# KiCad board LED_Matrix_Phone_Case.kicad_pcb (continued)
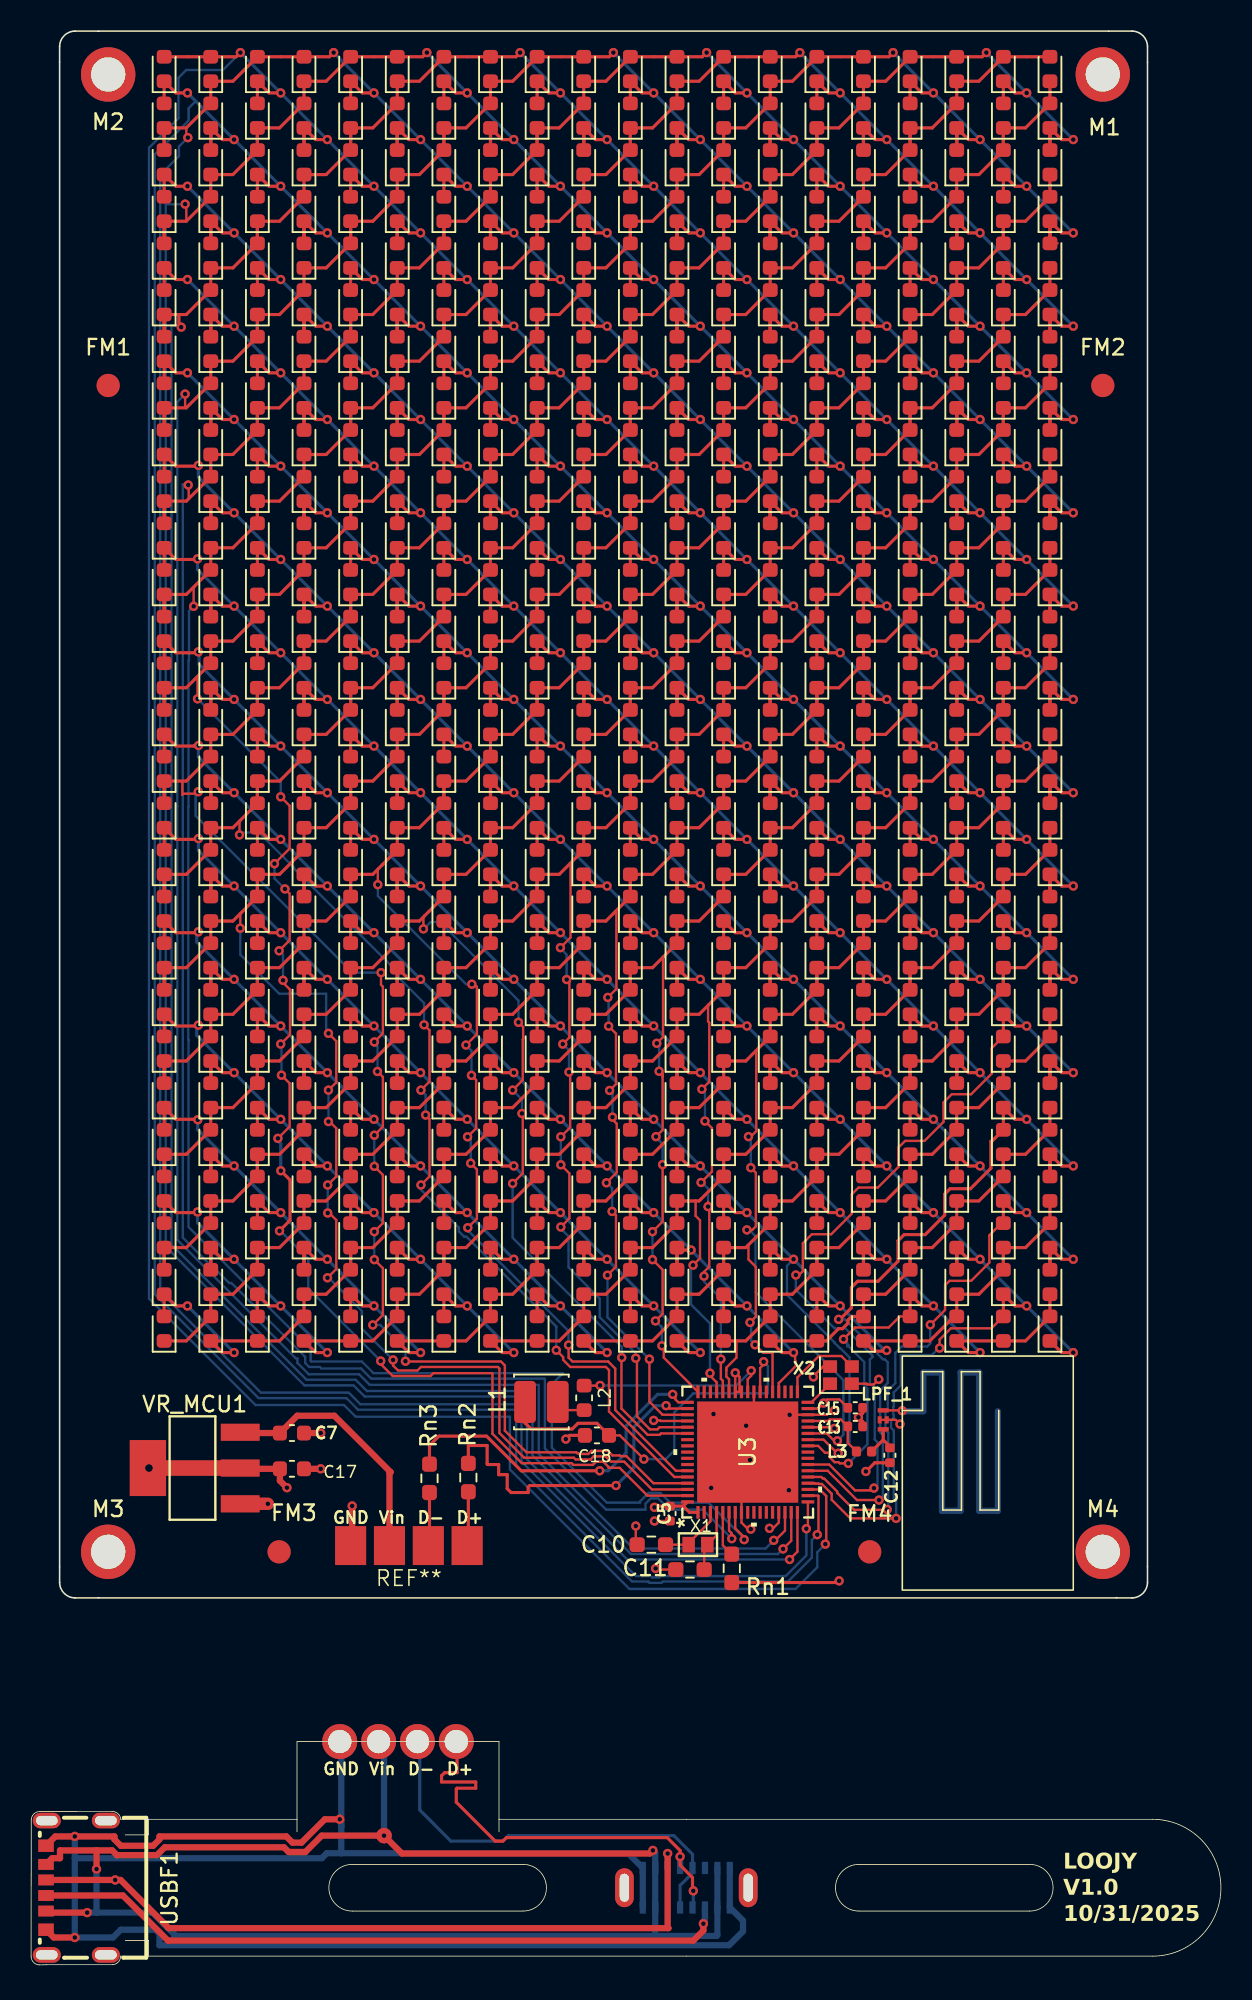
[diagram p0: board, top side]
## Routing (per net, layer and track width the routed paths; a pad name or vN(x,y) marks a point on that pad's centre or on a via; arc(x,y) is an arc through that point) (continued)
  Bottom w0.15: v1(54.23,30.66) 54.39,30.81 54.46,30.81 54.46,33.62 54.28,33.79 54.28,37.08 53.97,37.39 53.97,38.92 54.15,39.1 54.13,39.13 54.13,39.19 54.03,39.28 54.03,39.29 52.36,40.96 52.23,40.96 52.2,40.94 51.72,40.94 51.7,40.96 51.66,40.96 49.21,43.41 v1(49.21,44.36)
  Bottom w0.2: v1(67.06,57.37) v1(64.06,60.37) v1(61.06,63.37) v1(58.06,66.37) v1(55.06,69.37) v1(52.06,72.37) v1(49.06,75.37) v1(46.06,78.37) v1(43.06,81.37) v1(40.06,84.37) v1(37.06,87.37) v1(34.06,90.37) v1(31.06,93.37) v1(28.06,96.37) v1(25.06,99.37) v1(22.06,102.37) v1(19.06,105.37) v1(16.06,108.37) v1(13.06,111.37) v1(10.06,114.37)
LED_10: length 141.6
  Top w0.15: v1(40.41,57.46) 40.64,57.24 40.64,57.11 ; 40.64,57.11 40.64,57.29 40.41,57.51 ; 40.64,57.11 40.64,53.69 v1(40.21,53.26) ; v1(40.18,41.41) 40.64,41.87 40.64,44.7 v1(39.99,45.35) ; v1(40.59,39.81) 40.71,39.69 40.71,39.05 U3.51 ; v1(40.26,59.26) 40.66,59.66 40.66,64.8 40.69,64.83 ; v1(39.99,47.15) 40.64,47.8 v1(40.64,51.46)
  Top w0.2: REF**495.2 26.56,52.16 ; REF**495.2 REF**453.1 27.99,52.12 REF**454.2 REF**456.1 30.99,55.12 REF**459.2 ; REF**495.2 24.99,49.12 REF**492.1 REF**490.2 21.99,46.12 REF**489.1 REF**531.2 ; REF**387.2 REF**345.1 45.99,70.12 REF**346.2 REF**348.1 48.99,73.12 REF**351.2 ; REF**387.2 44.56,70.16 ; REF**387.2 42.99,67.12 REF**384.1 REF**382.2 39.99,64.12 REF**381.1 REF**423.2 ; REF**459.2 REF**417.1 33.99,58.12 REF**418.2 REF**420.1 36.99,61.12 REF**423.2 ; REF**459.2 32.56,58.16 ; REF**531.2 18.99,43.12 REF**528.1 REF**526.2 15.99,40.12 REF**525.1 REF**522.1 12.31,39.37 v1(13.06,39.37) ; REF**531.2 20.56,46.16 ; REF**279.2 60.99,85.12 REF**276.1 REF**274.2 57.99,82.12 REF**273.1 REF**315.2 ; REF**279.2 REF**237.1 63.99,88.12 REF**238.2 REF**240.1 ; REF**279.2 62.56,88.16 ; REF**351.2 REF**309.1 51.99,76.12 REF**310.2 REF**312.1 54.99,79.12 REF**315.2 ; REF**351.2 50.56,76.16 ; REF**315.2 56.56,82.16 ; REF**423.2 38.56,64.16 ; v1(10.06,42.37) 9.31,42.37 REF**523.1 REF**521.2
  Bottom w0.15: v1(40.18,41.41) 40.54,41.04 40.59,41.04 v1(40.59,39.81) ; 40.44,52.99 40.64,52.79 v1(40.64,51.46) ; 40.44,52.99 40.26,53.16 ; 40.44,52.99 40.44,53.04 v1(40.21,53.26) ; v1(40.41,57.46) 40.41,59.11 v1(40.26,59.26) ; v1(39.99,45.35) v1(39.99,47.15)
  Bottom w0.2: v1(10.06,42.37) v1(13.06,39.37)
LED_11: length 146.7
  Top w0.15: 37.41,54.61 v1(37.41,54.51) 37.41,54.36 37.69,54.09 37.69,50.96 v1(37.02,50.29) ; v1(37.39,48.45) 37.64,48.2 37.64,44.9 v1(37.09,44.35) ; v1(39.79,38.95) 39.79,36.22 40.63,35.37 U3.54 ; v1(37.16,60.36) 37.64,59.89 37.64,56.64 v1(37.22,56.23) ; 37.59,67.73 37.66,67.66 37.66,62.76 v1(37.11,62.21)
  Top w0.2: REF**239.2 REF**197.1 63.99,94.12 REF**198.2 REF**200.1 ; REF**239.2 60.99,91.12 REF**236.1 REF**234.2 57.99,88.12 REF**233.1 REF**275.2 ; REF**239.2 62.56,94.16 ; REF**311.2 REF**269.1 51.99,82.12 REF**270.2 REF**272.1 54.99,85.12 REF**275.2 ; REF**311.2 48.99,79.12 REF**308.1 REF**306.2 45.99,76.12 REF**305.1 REF**347.2 ; REF**311.2 50.56,82.16 ; REF**419.2 32.56,64.16 ; REF**419.2 REF**377.1 33.99,64.12 REF**378.2 REF**380.1 36.99,67.12 REF**383.2 ; REF**419.2 30.99,61.12 REF**416.1 REF**414.2 27.99,58.12 REF**413.1 REF**455.2 ; REF**491.2 18.99,49.12 REF**488.1 REF**486.2 15.99,46.12 REF**485.1 REF**527.2 ; REF**491.2 20.56,52.16 ; REF**491.2 REF**449.1 21.99,52.12 REF**450.2 REF**452.1 24.99,55.12 REF**455.2 ; REF**455.2 26.56,58.16 ; REF**383.2 38.56,70.16 ; REF**383.2 REF**341.1 39.99,70.12 REF**342.2 REF**344.1 42.99,73.12 REF**347.2 ; REF**275.2 56.56,88.16 ; REF**521.1 9.99,40.12 REF**522.2 REF**524.1 12.99,43.12 REF**527.2 ; REF**527.2 14.56,46.16 ; REF**347.2 44.56,76.16
  Bottom w0.15: 37.09,50.25 37.39,49.95 v1(37.39,48.45) ; v1(37.41,54.51) 37.41,56.01 37.21,56.21 ; v1(39.79,38.95) 37.09,41.65 v1(37.09,44.35) ; v1(37.11,62.21) 37.16,62.16 v1(37.16,60.36)
LED_12: length 155.3
  Top w0.15: v1(34.61,57.41) 34.69,57.34 34.69,53.85 v1(34.09,53.25) ; 34.69,70.83 34.71,70.81 34.71,66.06 v1(34.06,65.41) ; v1(38.91,39.01) 38.99,38.94 38.99,35.27 39.82,34.44 40.3,34.44 40.44,34.57 U3.56 ; v1(34.21,59.21) 34.64,59.64 34.64,63.19 v1(34.46,63.36) 34.41,63.41 ; v1(34.09,51.45) 34.64,50.9 34.64,48 v1(34.09,47.45)
  Top w0.2: REF**271.2 48.99,85.12 REF**268.1 REF**266.2 45.99,82.12 REF**265.1 REF**307.2 ; REF**271.2 REF**229.1 51.99,88.12 REF**230.2 REF**232.1 54.99,91.12 REF**235.2 ; REF**271.2 50.56,88.16 ; REF**235.2 56.56,94.16 ; REF**235.2 REF**193.1 57.99,94.12 REF**194.2 REF**196.1 60.99,97.12 REF**199.2 ; REF**379.2 REF**337.1 33.99,70.12 REF**338.2 REF**340.1 36.99,73.12 REF**343.2 ; REF**379.2 32.56,70.16 ; REF**379.2 30.99,67.12 REF**376.1 REF**374.2 27.99,64.12 REF**373.1 REF**415.2 ; REF**343.2 38.56,76.16 ; REF**343.2 REF**301.1 39.99,76.12 REF**302.2 REF**304.1 42.99,79.12 REF**307.2 ; REF**487.2 12.99,49.12 REF**484.1 REF**482.2 9.99,46.12 REF**481.1 REF**523.2 8.56,46.16 ; REF**487.2 REF**445.1 15.99,52.12 REF**446.2 REF**448.1 18.99,55.12 REF**451.2 ; REF**487.2 14.56,52.16 ; REF**451.2 20.56,58.16 ; REF**451.2 REF**409.1 21.99,58.12 REF**410.2 REF**412.1 24.99,61.12 REF**415.2 ; REF**199.2 62.56,100.16 ; REF**199.2 REF**157.1 63.99,100.12 REF**158.2 REF**160.1 ; REF**415.2 26.56,64.16 ; REF**307.2 44.56,82.16
  Bottom w0.15: v1(34.09,51.45) v1(34.09,53.25) ; v1(34.46,63.36) 34.46,64.96 34.01,65.41 ; v1(34.21,59.21) 34.61,58.81 v1(34.61,57.41) ; 34.09,47.35 34.59,46.85 34.59,44.85 36.59,42.85 36.59,41.65 38.91,39.33 v1(38.91,39.01)
LED_13: length 156.8
  Top w0.15: U3.57 40.53,34.17 40.45,34.08 39.68,34.08 37.99,35.78 37.99,39.05 ; v1(30.99,56.25) 31.64,56.9 31.64,59.5 31.66,59.52 31.66,60.31 v1(31.36,60.61) ; v1(31.59,54.75) 31.64,54.7 31.64,50.9 v1(30.99,50.25) ; 25.32,67.45 25.25,67.38 v1(25.25,66.62)
  Top w0.2: 8.56,52.16 REF**483.2 REF**441.1 9.99,52.12 REF**442.2 REF**444.1 12.99,55.12 REF**447.2 ; REF**411.2 18.99,61.12 REF**408.1 REF**406.2 15.99,58.12 REF**405.1 REF**447.2 ; REF**411.2 REF**369.1 21.99,64.12 REF**370.2 REF**372.1 24.99,67.12 REF**375.2 ; REF**411.2 20.56,64.16 ; REF**447.2 14.56,58.16 ; REF**339.2 32.56,76.16 ; REF**339.2 REF**297.1 33.99,76.12 REF**298.2 REF**300.1 36.99,79.12 REF**303.2 ; REF**339.2 30.99,73.12 REF**336.1 REF**334.2 27.99,70.12 REF**333.1 REF**375.2 ; REF**267.2 42.99,85.12 REF**264.1 REF**262.2 39.99,82.12 REF**261.1 REF**303.2 ; REF**267.2 44.56,88.16 ; REF**267.2 REF**225.1 45.99,88.12 REF**226.2 REF**228.1 48.99,91.12 REF**231.2 ; REF**195.2 56.56,100.16 ; REF**195.2 54.99,97.12 REF**192.1 REF**190.2 51.99,94.12 REF**189.1 REF**231.2 ; REF**195.2 REF**153.1 57.99,100.12 REF**154.2 REF**156.1 60.99,103.12 REF**159.2 ; REF**375.2 26.56,70.16 ; REF**120.1 REF**118.2 63.99,106.12 REF**117.1 REF**159.2 ; REF**303.2 38.56,82.16 ; REF**231.2 50.56,94.16 ; REF**159.2 62.56,106.16
  Bottom w0.15: v1(30.99,50.25) 30.99,46.76 38.01,39.74 v1(38.01,39.05) ; v1(31.59,54.75) 31.59,55.65 v1(30.99,56.25) ; 25.26,66.61 25.71,67.06 26.31,67.06 31.36,62.01 v1(31.36,60.61)
LED_14: length 150.9
  Top w0.15: U3.38 48.11,37.42 48.12,37.42 49.21,38.51 49.21,38.8 49.16,38.8 49.16,39.27 v1(49.06,39.37) 48.91,39.22
  Top w0.2: v1(28.06,60.37) 27.31,60.37 REF**415.1 REF**413.2 ; REF**544.2 41.56,46.16 REF**544.2 ; REF**544.2 REF**502.1 41.72,45.97 v1(42.47,45.97) ; REF**519.2 62.56,52.16 ; REF**519.2 REF**477.1 63.99,52.12 REF**478.2 REF**480.1 ; REF**519.2 60.99,49.12 REF**516.1 REF**514.2 57.99,46.12 REF**513.1 REF**555.2 ; REF**324.2 11.56,76.16 REF**324.2 ; REF**324.2 REF**282.1 12.31,75.37 v1(13.06,75.37) ; REF**412.2 23.56,64.16 REF**412.2 ; REF**412.2 REF**370.1 24.31,63.37 v1(25.06,63.37) ; v1(37.06,51.37) 36.31,51.37 REF**458.1 REF**500.2 ; REF**555.2 56.56,46.16 ; REF**555.2 54.99,43.12 REF**552.1 REF**550.2 52.8,41.7 52.56,41.46 52.56,41.26 52.21,40.91 51.96,40.91 51.17,40.12 REF**549.1 REF**546.1 48.31,39.37 v1(49.06,39.37) ; REF**325.2 REF**327.1 15.31,72.37 v1(16.06,72.37) ; REF**368.2 17.56,70.16 REF**368.2 ; REF**368.2 REF**326.1 18.31,69.37 v1(19.06,69.37) ; v1(40.06,48.37) 39.31,48.37 REF**503.1 REF**501.2 ; REF**500.2 35.56,52.16 REF**500.2 ; REF**456.2 REF**414.1 30.31,57.37 v1(31.06,57.37) ; REF**456.2 29.56,58.16 REF**456.2 ; v1(46.06,42.37) 45.31,42.37 REF**547.1 REF**545.2 ; REF**457.2 REF**459.1 33.31,54.37 v1(34.06,54.37) ; REF**281.2 REF**283.1 9.31,78.37 10.49,78.37 10.53,78.41 v1(10.78,78.41) ; v1(22.06,66.37) 21.31,66.37 REF**371.1 REF**369.2
  Bottom w0.2: v1(49.06,39.37) v1(46.06,42.37) v1(42.47,45.97) v1(40.06,48.37) v1(37.06,51.37) v1(34.06,54.37) v1(31.06,57.37) v1(28.06,60.37) v1(25.06,63.37) v1(22.06,66.37) v1(19.06,69.37) v1(16.06,72.37) v1(13.06,75.37) 10.76,77.67 10.76,78.4 v1(10.78,78.41)
LED_15: length 146.7
  Top w0.15: 46.14,46.28 46.16,46.26 46.16,45.36 46.64,44.89 46.64,41.69 v1(46.26,41.31) ; U3.39 47.71,39.36 47.1,39.36 v1(46.59,39.88)
  Top w0.2: REF**511.2 50.56,52.16 ; REF**511.2 48.99,49.12 REF**508.1 REF**506.2 45.99,46.12 REF**505.1 REF**547.2 ; REF**511.2 REF**469.1 51.99,52.12 REF**470.2 REF**472.1 54.99,55.12 REF**475.2 ; REF**439.2 60.99,61.12 REF**436.1 REF**434.2 57.99,58.12 REF**433.1 REF**475.2 ; REF**439.2 62.56,64.16 ; REF**439.2 REF**397.1 63.99,64.12 REF**398.2 REF**400.1 ; v1(25.06,51.37) 24.31,51.37 REF**450.1 REF**492.2 ; REF**361.2 REF**363.1 9.31,66.37 10.62,66.37 10.68,66.43 v1(10.76,66.43) ; REF**492.2 23.56,52.16 REF**492.2 ; v1(19.06,57.37) 18.31,57.37 REF**406.1 REF**448.2 ; REF**547.2 42.99,43.12 REF**544.1 REF**542.2 39.99,40.12 REF**541.1 REF**538.1 36.31,39.37 v1(37.06,39.37) ; REF**547.2 44.56,46.16 ; REF**536.2 29.56,46.16 REF**536.2 ; REF**536.2 REF**494.1 30.31,45.37 v1(31.06,45.37) ; v1(28.06,48.37) 27.31,48.37 REF**495.1 REF**493.2 ; v1(22.06,54.37) 21.31,54.37 REF**451.1 REF**449.2 ; REF**475.2 56.56,58.16 ; REF**537.2 REF**539.1 33.31,42.37 v1(34.06,42.37) ; REF**448.2 17.56,58.16 REF**448.2 ; REF**405.2 REF**407.1 15.31,60.37 v1(16.06,60.37) ; REF**404.2 11.56,64.16 REF**404.2 ; REF**404.2 REF**362.1 12.31,63.37 v1(13.06,63.37)
  Bottom w0.15: v1(46.26,41.31) 46.33,41.24 46.33,40.13 v1(46.59,39.88)
  Bottom w0.2: v1(37.06,39.37) v1(34.06,42.37) v1(31.06,45.37) v1(28.06,48.37) v1(25.06,51.37) v1(22.06,54.37) v1(19.06,57.37) v1(16.06,60.37) v1(13.06,63.37) 10.66,65.77 10.66,66.33 v1(10.76,66.43)
LED_16: length 178.7
  Top w0.15: v1(52.28,40.23) 53.03,40.99 55.19,40.99 55.9,41.7 REF**553.2 ; v1(52.59,32.25) 52.04,32.25 51.96,32.32 51.7,32.32 51.36,32.66 51.36,32.91 51.34,32.93 51.09,32.93 50.64,33.37 U3.27
  Top w0.2: REF**332.2 23.56,76.16 REF**332.2 ; REF**332.2 REF**290.1 24.31,75.37 v1(25.06,75.37) ; REF**288.2 REF**246.1 18.31,81.37 v1(19.06,81.37) ; REF**288.2 17.56,82.16 REF**288.2 ; REF**244.2 11.56,88.16 REF**244.2 ; REF**244.2 REF**202.1 12.31,87.37 v1(13.06,87.37) ; REF**508.2 REF**466.1 48.31,51.37 v1(49.06,51.37) ; REF**508.2 47.56,52.16 REF**508.2 ; v1(58.06,42.37) 57.31,42.37 REF**555.1 REF**553.2 ; REF**245.2 REF**247.1 15.31,84.37 v1(16.06,84.37) ; v1(22.06,78.37) 21.31,78.37 REF**291.1 REF**289.2 ; v1(34.06,66.37) 33.31,66.37 REF**379.1 REF**377.2 ; REF**201.2 REF**203.1 9.31,90.37 10.67,90.37 v1(10.71,90.41) ; REF**465.2 REF**467.1 45.31,54.37 v1(46.06,54.37) ; v1(43.06,57.37) 42.31,57.37 REF**422.1 REF**464.2 ; v1(40.06,60.37) 39.31,60.37 REF**423.1 REF**421.2 ; REF**509.2 REF**511.1 51.31,48.37 v1(52.06,48.37) ; v1(28.06,72.37) 27.31,72.37 REF**335.1 REF**333.2 ; REF**464.2 41.56,58.16 REF**464.2 ; v1(37.06,63.37) 36.31,63.37 REF**378.1 REF**420.2 ; REF**420.2 35.56,64.16 REF**420.2 ; REF**552.2 REF**510.1 54.31,45.37 v1(55.06,45.37) ; REF**552.2 53.56,46.16 REF**552.2 ; REF**376.2 REF**334.1 30.31,69.37 v1(31.06,69.37) ; REF**376.2 29.56,70.16 REF**376.2 ; v1(61.06,39.37) 60.31,39.37 REF**554.1 REF**#6.1 63.99,40.12 REF**#4.2 REF**.1
  Bottom w0.15: 52.51,39.76 52.51,40 v1(52.28,40.23) 52.4,40.11 52.4,40.04 52.61,39.84 52.61,39.76 53.61,38.76 53.61,37.26 53.81,37.06 53.81,33.47 v1(52.59,32.25)
  Bottom w0.2: v1(10.71,90.41) 10.71,89.72 v1(13.06,87.37) v1(16.06,84.37) v1(19.06,81.37) v1(22.06,78.37) v1(25.06,75.37) v1(28.06,72.37) v1(31.06,69.37) v1(34.06,66.37) v1(37.06,63.37) v1(40.06,60.37) v1(43.06,57.37) v1(46.06,54.37) v1(49.06,51.37) v1(52.06,48.37) v1(55.06,45.37) v1(58.06,42.37) v1(61.06,39.37)
LED_17: length 163.5
  Top w0.15: v1(27.99,59.15) 28.69,59.85 28.69,62.89 28.56,63.01 28.36,63.01 ; U3.63 41.49,31.77 37.59,35.68 37.59,38.35 37.14,38.8 34.84,38.8 34.59,39.05 v1(34.59,39.86) 34.5,39.86 ; v1(28.29,51.55) 28.69,51.15 28.69,47.99 v1(28.1,47.4) ; v1(28.09,53.25) 28.64,53.8 28.64,56.9 v1(28.34,57.2) 28.29,57.25 ; 22.37,70.5 22.31,70.45 v1(22.31,69.46)
  Top w0.2: REF**407.2 12.99,61.12 REF**404.1 REF**402.2 9.99,58.12 REF**401.1 REF**443.2 8.56,58.16 ; REF**407.2 REF**365.1 15.99,64.12 REF**366.2 REF**368.1 18.99,67.12 REF**371.2 ; REF**407.2 14.56,64.16 ; REF**155.2 56.56,106.16 ; REF**155.2 54.99,103.12 REF**152.1 REF**150.2 51.99,100.12 REF**149.1 REF**191.2 ; REF**155.2 REF**113.1 57.99,106.12 REF**114.2 REF**116.1 60.99,109.12 REF**119.2 ; REF**227.2 42.99,91.12 REF**224.1 REF**222.2 39.99,88.12 REF**221.1 REF**263.2 ; REF**227.2 REF**185.1 45.99,94.12 REF**186.2 REF**188.1 48.99,97.12 REF**191.2 ; REF**227.2 44.56,94.16 ; REF**191.2 50.56,100.16 ; REF**119.2 REF**77.1 63.99,112.12 REF**78.2 REF**80.1 ; REF**119.2 62.56,112.16 ; REF**335.2 26.56,76.16 ; REF**335.2 REF**293.1 27.99,76.12 REF**294.2 REF**296.1 30.99,79.12 REF**299.2 ; REF**335.2 24.99,73.12 REF**332.1 REF**330.2 21.99,70.12 REF**329.1 REF**371.2 ; REF**299.2 32.56,82.16 ; REF**299.2 REF**257.1 33.99,82.12 REF**258.2 REF**260.1 36.99,85.12 REF**263.2 ; REF**263.2 38.56,88.16 ; REF**371.2 20.56,70.16
  Bottom w0.15: v1(22.31,69.46) 22.31,68.74 27.99,63.06 v1(28.36,63.06) ; 27.89,59.25 v1(27.99,59.15) 28.34,58.8 v1(28.34,57.2) ; v1(34.59,39.86) 34.59,40.75 28.19,47.15 28.19,47.35 28.09,47.45 ; v1(28.09,53.25) 28.29,53.05 v1(28.29,51.55)
LED_18: length 165.5
  Top w0.15: v1(25.39,54.65) 25.64,54.4 25.64,50.7 v1(25.09,50.15) ; 13.44,73.58 13.41,73.55 v1(13.41,72.66) ; U3.64 41.39,31.37 37.19,35.58 37.19,38.25 36.99,38.45 34.69,38.45 34.24,38.9 34.24,39.08 v1(33.8,39.52) ; v1(25.09,56.25) 25.64,56.8 25.64,60.1 v1(25.29,60.45)
  Top w0.2: REF**327.2 12.99,73.12 REF**324.1 REF**322.2 9.99,70.12 REF**321.1 REF**363.2 8.56,70.16 ; REF**327.2 14.56,76.16 ; REF**327.2 REF**285.1 15.99,76.12 REF**286.2 REF**288.1 18.99,79.12 REF**291.2 ; REF**111.2 50.56,112.16 ; REF**111.2 48.99,109.12 REF**108.1 REF**106.2 45.99,106.12 REF**105.1 REF**147.2 ; REF**111.2 REF**69.1 51.99,112.12 REF**70.2 REF**72.1 54.99,115.12 REF**75.2 ; REF**291.2 20.56,82.16 ; REF**291.2 REF**249.1 21.99,82.12 REF**250.2 REF**252.1 24.99,85.12 REF**255.2 ; REF**147.2 42.99,103.12 REF**144.1 REF**142.2 39.99,100.12 REF**141.1 REF**183.2 ; REF**147.2 44.56,106.16 ; REF**219.2 30.99,91.12 REF**216.1 REF**214.2 27.99,88.12 REF**213.1 REF**255.2 ; REF**219.2 32.56,94.16 ; REF**219.2 REF**177.1 33.99,94.12 REF**178.2 REF**180.1 36.99,97.12 REF**183.2 ; REF**183.2 38.56,100.16 ; REF**75.2 56.56,118.16 ; REF**75.2 REF**33.1 57.99,118.12 REF**34.2 REF**36.1 60.99,121.12 REF**39.2 REF**40.2 ; REF**255.2 26.56,88.16
  Bottom w0.15: v1(25.09,50.15) 25.09,49.85 27.53,47.41 27.53,47.16 27.86,46.83 28.01,46.83 33.79,41.05 33.79,41.05 33.8,41.04 v1(33.8,39.52) ; v1(25.39,54.65) 25.39,55.95 v1(25.09,56.25) ; v1(25.29,60.45) 25.29,61.85 23.66,63.47 23.66,63.76 16.91,70.51 16.91,70.56 14.66,72.81 13.61,72.81 13.46,72.66 v1(13.41,72.66)
LED_19: length 186.8
  Top w0.15: v1(21.99,41.15) 22.64,41.8 22.64,44.8 v1(22.09,45.35) ; v1(22.29,57.45) 22.64,57.1 22.64,53.9 v1(22.09,53.35) ; v1(24.09,38.82) 24.11,38.8 30.24,38.8 30.49,38.55 30.49,34.35 31.87,32.96 35.07,32.96 35.12,32.91 35.2,32.91 35.26,32.85 35.86,32.85 36.06,33.05 37.12,33.05 37.41,32.76 37.89,32.76 37.94,32.71 38.31,32.71 40.05,30.97 U3.65 ; 9.76,76.12 9.74,76.1 9.74,75.24 9.81,75.31 10.63,75.31 v1(10.76,75.44) ; v1(22.52,63.81) 22.52,63.02 22.64,62.9 22.64,59.9 v1(22.09,59.35) ; v1(22.09,51.35) 22.64,50.8 22.64,47.7 v1(22.09,47.15)
  Top w0.2: REF**71.2 REF**29.1 51.99,118.12 REF**30.2 REF**32.1 54.99,121.12 REF**35.2 REF**36.2 61.2,122.7 v1(61.47,122.97) ; REF**71.2 50.56,118.16 ; REF**71.2 48.99,115.12 REF**68.1 REF**66.2 45.99,112.12 REF**65.1 REF**107.2 ; REF**143.2 36.99,103.12 REF**140.1 REF**138.2 33.99,100.12 REF**137.1 REF**179.2 ; REF**143.2 REF**101.1 39.99,106.12 REF**102.2 REF**104.1 42.99,109.12 REF**107.2 ; REF**143.2 38.56,106.16 ; REF**80.2 REF**38.1 66.31,117.37 v1(67.06,117.37) ; REF**80.2 65.56,118.16 REF**80.2 ; v1(64.06,120.37) 63.31,120.37 REF**39.1 REF**37.2 ; REF**215.2 26.56,94.16 ; REF**215.2 24.99,91.12 REF**212.1 REF**210.2 21.99,88.12 REF**209.1 REF**251.2 ; REF**215.2 REF**173.1 27.99,94.12 REF**174.2 REF**176.1 30.99,97.12 REF**179.2 ; REF**179.2 32.56,100.16 ; REF**287.2 14.56,82.16 ; REF**287.2 REF**245.1 15.99,82.12 REF**246.2 REF**248.1 18.99,85.12 REF**251.2 ; REF**287.2 12.99,79.12 REF**284.1 REF**282.2 9.99,76.12 REF**281.1 REF**323.2 8.56,76.16 ; REF**107.2 44.56,112.16 ; REF**251.2 20.56,88.16
  Bottom w0.15: v1(22.52,63.81) 20.67,63.81 10.59,73.88 10.59,75.27 v1(10.76,75.44) ; v1(22.29,57.45) 22.29,59.05 22.19,59.15 22.19,59.25 v1(22.09,59.35) ; v1(22.09,45.35) v1(22.09,47.15) ; v1(24.09,38.82) 24.09,39.53 22.47,41.15 v1(21.99,41.15) ; v1(22.09,51.35) v1(22.09,53.35)
  Bottom w0.2: v1(67.06,117.37) v1(64.06,120.37) v1(61.47,122.97)
LED_20: length 173.9
  Top w0.15: U3.66 39.95,30.57 38.16,32.36 37.31,32.36 36.97,32.7 36.2,32.7 36,32.5 35.04,32.5 34.93,32.61 31.73,32.61 30.14,34.2 30.14,38.35 30.04,38.45 25.09,38.45 24.86,38.22 23.61,38.22 23.29,38.54 v1(23.29,38.9) ; v1(19.07,44.18) 19.64,44.75 19.64,47.9 19.19,48.35 ; v1(19.09,50.15) 19.64,50.7 19.64,53.8 19.19,54.25 ; 19.09,59.95 v1(19.14,59.9) 19.64,59.4 19.64,56.75 v1(19.13,56.25) ; 13.49,67.63 13.46,67.6 v1(13.46,66.66)
  Top w0.2: REF**40.1 REF**38.2 63.99,118.12 REF**37.1 REF**79.2 ; REF**79.2 62.56,118.16 ; REF**79.2 60.99,115.12 REF**76.1 REF**74.2 57.99,112.12 REF**73.1 REF**115.2 ; REF**367.2 12.99,67.12 REF**364.1 REF**362.2 9.99,64.12 REF**361.1 REF**403.2 8.56,64.16 ; REF**367.2 REF**325.1 15.99,70.12 REF**326.2 REF**328.1 18.99,73.12 REF**331.2 ; REF**367.2 14.56,70.16 ; REF**295.2 24.99,79.12 REF**292.1 REF**290.2 21.99,76.12 REF**289.1 REF**331.2 ; REF**295.2 REF**253.1 27.99,82.12 REF**254.2 REF**256.1 30.99,85.12 REF**259.2 ; REF**295.2 26.56,82.16 ; REF**259.2 32.56,88.16 ; REF**259.2 REF**217.1 33.99,88.12 REF**218.2 REF**220.1 36.99,91.12 REF**223.2 ; REF**331.2 20.56,76.16 ; REF**151.2 REF**109.1 51.99,106.12 REF**110.2 REF**112.1 54.99,109.12 REF**115.2 ; REF**151.2 48.99,103.12 REF**148.1 REF**146.2 45.99,100.12 REF**145.1 REF**187.2 ; REF**151.2 50.56,106.16 ; REF**115.2 56.56,112.16 ; REF**187.2 44.56,100.16 ; REF**187.2 42.99,97.12 REF**184.1 REF**182.2 39.99,94.12 REF**181.1 REF**223.2 ; REF**223.2 38.56,94.16
  Bottom w0.15: v1(19.13,54.23) v1(19.13,56.25) 19.13,56.3 ; v1(23.29,38.9) 21.29,40.91 21.29,42.05 19.19,44.15 19.09,44.15 ; v1(13.46,66.66) 13.46,64.96 15.97,62.45 18.99,62.45 18.99,60.05 v1(19.14,59.9) ; v1(19.09,48.35) v1(19.09,50.15)
LED_21: length 200.2
  Top w0.15: 16.31,69.21 v1(16.34,69.19) 16.64,68.89 16.64,65.89 v1(15.96,65.21) ; v1(16.11,57.21) 16.64,56.69 16.64,53.9 v1(15.88,53.15) ; v1(22.5,38.83) 22.52,38.81 22.52,38.62 23.26,37.87 25.71,37.87 25.89,38.05 29.69,38.05 29.69,34.16 31.58,32.26 34.78,32.26 34.89,32.15 36.15,32.15 36.35,32.35 36.82,32.35 37.16,32.01 37.16,31.96 37.87,31.96 39.66,30.17 U3.67 ; v1(16.06,59.21) 16.66,59.81 16.66,62.71 16.21,63.16 v1(16.21,63.31) ; 66.05,110.7 REF**120.2 ; v1(10.71,81.41) 10.71,82.85 10.74,82.88 ; v1(16.06,75.11) 16.64,74.54 16.64,71.79 v1(15.66,70.81)
  Top w0.2: REF**67.2 42.99,115.12 REF**64.1 REF**62.2 39.99,112.12 REF**61.1 REF**103.2 ; REF**67.2 44.56,118.16 ; REF**67.2 REF**25.1 45.99,118.12 REF**26.2 REF**28.1 48.99,121.12 REF**31.2 REF**32.2 55.2,122.7 v1(55.47,122.97) ; REF**33.2 REF**35.1 57.31,120.37 v1(58.06,120.37) ; REF**247.2 14.56,88.16 ; REF**247.2 REF**205.1 15.99,88.12 REF**206.2 REF**208.1 18.99,91.12 REF**211.2 ; REF**247.2 12.99,85.12 REF**244.1 REF**242.2 9.99,82.12 REF**241.1 REF**283.2 8.56,82.16 ; REF**175.2 REF**133.1 27.99,100.12 REF**134.2 REF**136.1 30.99,103.12 REF**139.2 ; REF**175.2 26.56,100.16 ; REF**175.2 24.99,97.12 REF**172.1 REF**170.2 21.99,94.12 REF**169.1 REF**211.2 ; REF**211.2 20.56,94.16 ; REF**120.2 65.56,112.16 REF**120.2 ; REF**120.2 65.57,110.71 ; REF**120.2 REF**78.1 66.31,111.37 v1(67.06,111.37) ; REF**139.2 32.56,106.16 ; REF**139.2 REF**97.1 33.99,106.12 REF**98.2 REF**100.1 36.99,109.12 REF**103.2 ; 16.04,51.1 v1(16.07,51.07) 16.66,50.47 16.66,47.87 v1(15.99,47.2) ; REF**77.2 REF**79.1 63.31,114.37 v1(64.06,114.37) ; REF**76.2 REF**34.1 60.31,117.37 v1(61.06,117.37) ; REF**76.2 59.56,118.16 REF**76.2 ; REF**103.2 38.56,112.16
  Bottom w0.15: v1(10.71,81.41) 16.06,76.06 v1(16.06,75.11) ; v1(22.5,38.83) 17.84,43.49 17.84,45.4 16.04,47.2 ; v1(16.34,69.19) 15.66,69.86 v1(15.66,70.81) ; v1(15.96,65.21) 16.21,64.96 v1(16.21,63.31) ; v1(16.06,59.21) 16.11,59.16 v1(16.11,57.21)
  Bottom w0.2: 15.76,53.11 16.07,52.8 v1(16.07,51.07) ; v1(55.47,122.97) v1(58.06,120.37) v1(61.06,117.37) v1(64.06,114.37) v1(67.06,111.37)
LED_22: length 232.8
  Top w0.15: v1(45.09,27.41) 45.09,27.75 44.91,27.92 U3.6 ; v1(10.11,95.16) 10.14,95.13 10.14,94.28
  Top w0.2: REF**156.2 59.56,106.16 REF**156.2 ; REF**156.2 REF**114.1 60.31,105.37 v1(61.06,105.37) ; v1(67.06,99.37) 66.31,99.37 REF**158.1 REF**200.2 ; v1(58.06,108.37) 57.31,108.37 REF**115.1 REF**113.2 ; REF**157.2 REF**159.1 63.31,102.37 v1(64.06,102.37) ; REF**95.2 26.56,112.16 ; REF**95.2 24.99,109.12 REF**92.1 REF**90.2 21.99,106.12 REF**89.1 REF**131.2 ; REF**95.2 REF**53.1 27.99,112.12 REF**54.2 REF**56.1 30.99,115.12 REF**59.2 ; v1(52.06,114.37) 51.31,114.37 REF**71.1 REF**69.2 ; REF**112.2 53.56,112.16 REF**112.2 ; REF**112.2 REF**70.1 54.31,111.37 v1(55.06,111.37) ; REF**200.2 65.56,100.16 REF**200.2 ; REF**25.2 REF**27.1 45.31,120.37 v1(46.06,120.37) ; REF**59.2 REF**17.1 33.99,118.12 REF**18.2 REF**20.1 36.99,121.12 REF**23.2 REF**24.2 43.2,122.7 v1(43.47,122.97) ; REF**59.2 32.56,118.16 ; 8.56,94.16 REF**203.2 REF**161.1 9.99,94.12 REF**162.2 REF**164.1 12.99,97.12 REF**167.2 ; REF**68.2 47.56,118.16 REF**68.2 ; REF**68.2 REF**26.1 48.31,117.37 v1(49.06,117.37) ; REF**131.2 18.99,103.12 REF**128.1 REF**126.2 15.99,100.12 REF**125.1 REF**167.2 ; REF**131.2 20.56,106.16 ; REF**167.2 14.56,100.16
  Bottom w0.15: 10.11,95.21 9.76,95.21 9.76,46.77 11.53,45 11.59,45 12.74,43.85 12.89,43.85 17.64,39.1 17.64,38.7 17.89,38.45 18.59,38.45 18.69,38.35 21.24,38.35 21.89,37.7 33.06,37.7 33.06,33.21 37,29.27 39.54,29.27 39.54,29.66 39.87,30 40.35,30 40.69,29.66 40.69,29.27 43.22,29.27 v1(45.09,27.41)
  Bottom w0.2: v1(67.06,99.37) v1(64.06,102.37) v1(61.06,105.37) v1(58.06,108.37) v1(55.06,111.37) v1(52.06,114.37) v1(49.06,117.37) v1(46.06,120.37) v1(43.47,122.97)
LED_23: length 220.2
  Top w0.15: v1(10.46,87.36) 10.46,88.6 10.52,88.65 ; v1(45.88,27.34) 45.88,27.5 45.31,28.07 U3.7
  Top w0.2: REF**116.2 REF**74.1 60.31,111.37 v1(61.06,111.37) ; REF**116.2 59.56,112.16 REF**116.2 ; REF**135.2 26.56,106.16 ; REF**135.2 REF**93.1 27.99,106.12 REF**94.2 REF**96.1 30.99,109.12 REF**99.2 ; REF**135.2 24.99,103.12 REF**132.1 REF**130.2 21.99,100.12 REF**129.1 REF**171.2 ; REF**99.2 32.56,112.16 ; REF**99.2 REF**57.1 33.99,112.12 REF**58.2 REF**60.1 36.99,115.12 REF**63.2 ; REF**171.2 18.99,97.12 REF**168.1 REF**166.2 15.99,94.12 REF**165.1 REF**207.2 ; REF**171.2 20.56,100.16 ; REF**63.2 38.56,118.16 ; REF**63.2 REF**21.1 39.99,118.12 REF**22.2 REF**24.1 42.99,121.12 REF**27.2 REF**28.2 49.2,122.7 v1(49.47,122.97) ; REF**207.2 14.56,94.16 ; REF**207.2 12.99,91.12 REF**204.1 REF**202.2 9.99,88.12 REF**201.1 REF**243.2 8.56,88.16 ; REF**160.2 65.56,106.16 REF**160.2 ; REF**160.2 REF**118.1 66.31,105.37 v1(67.06,105.37) ; v1(52.06,120.37) 51.31,120.37 REF**31.1 REF**29.2 ; REF**73.2 REF**75.1 57.31,114.37 v1(58.06,114.37) ; v1(64.06,108.37) 63.31,108.37 REF**119.1 REF**117.2 ; REF**72.2 53.56,118.16 REF**72.2 ; REF**72.2 REF**30.1 54.31,117.37 v1(55.06,117.37)
  Bottom w0.15: v1(10.46,87.36) 10.16,87.06 10.16,83.91 10.14,83.89 10.14,74.49 10.11,74.46 10.11,74.46 10.11,59.51 10.16,59.46 10.14,59.44 10.14,47.45 17.99,39.6 17.99,38.85 18.04,38.8 21.28,38.8 22.03,38.05 34.23,38.05 33.51,37.33 33.51,33.26 37.04,29.72 39.18,29.72 39.18,29.8 39.73,30.35 40.5,30.35 41.04,29.8 41.04,29.72 43.58,29.72 45.88,27.42 v1(45.88,27.34)
  Bottom w0.2: v1(49.47,122.97) v1(52.06,120.37) v1(55.06,117.37) v1(58.06,114.37) v1(61.06,111.37) v1(64.06,108.37) v1(67.06,105.37)
